# KiCad board [DFR1142]Lite Carrier for LattePanda Mu.kicad_pcb (continued)
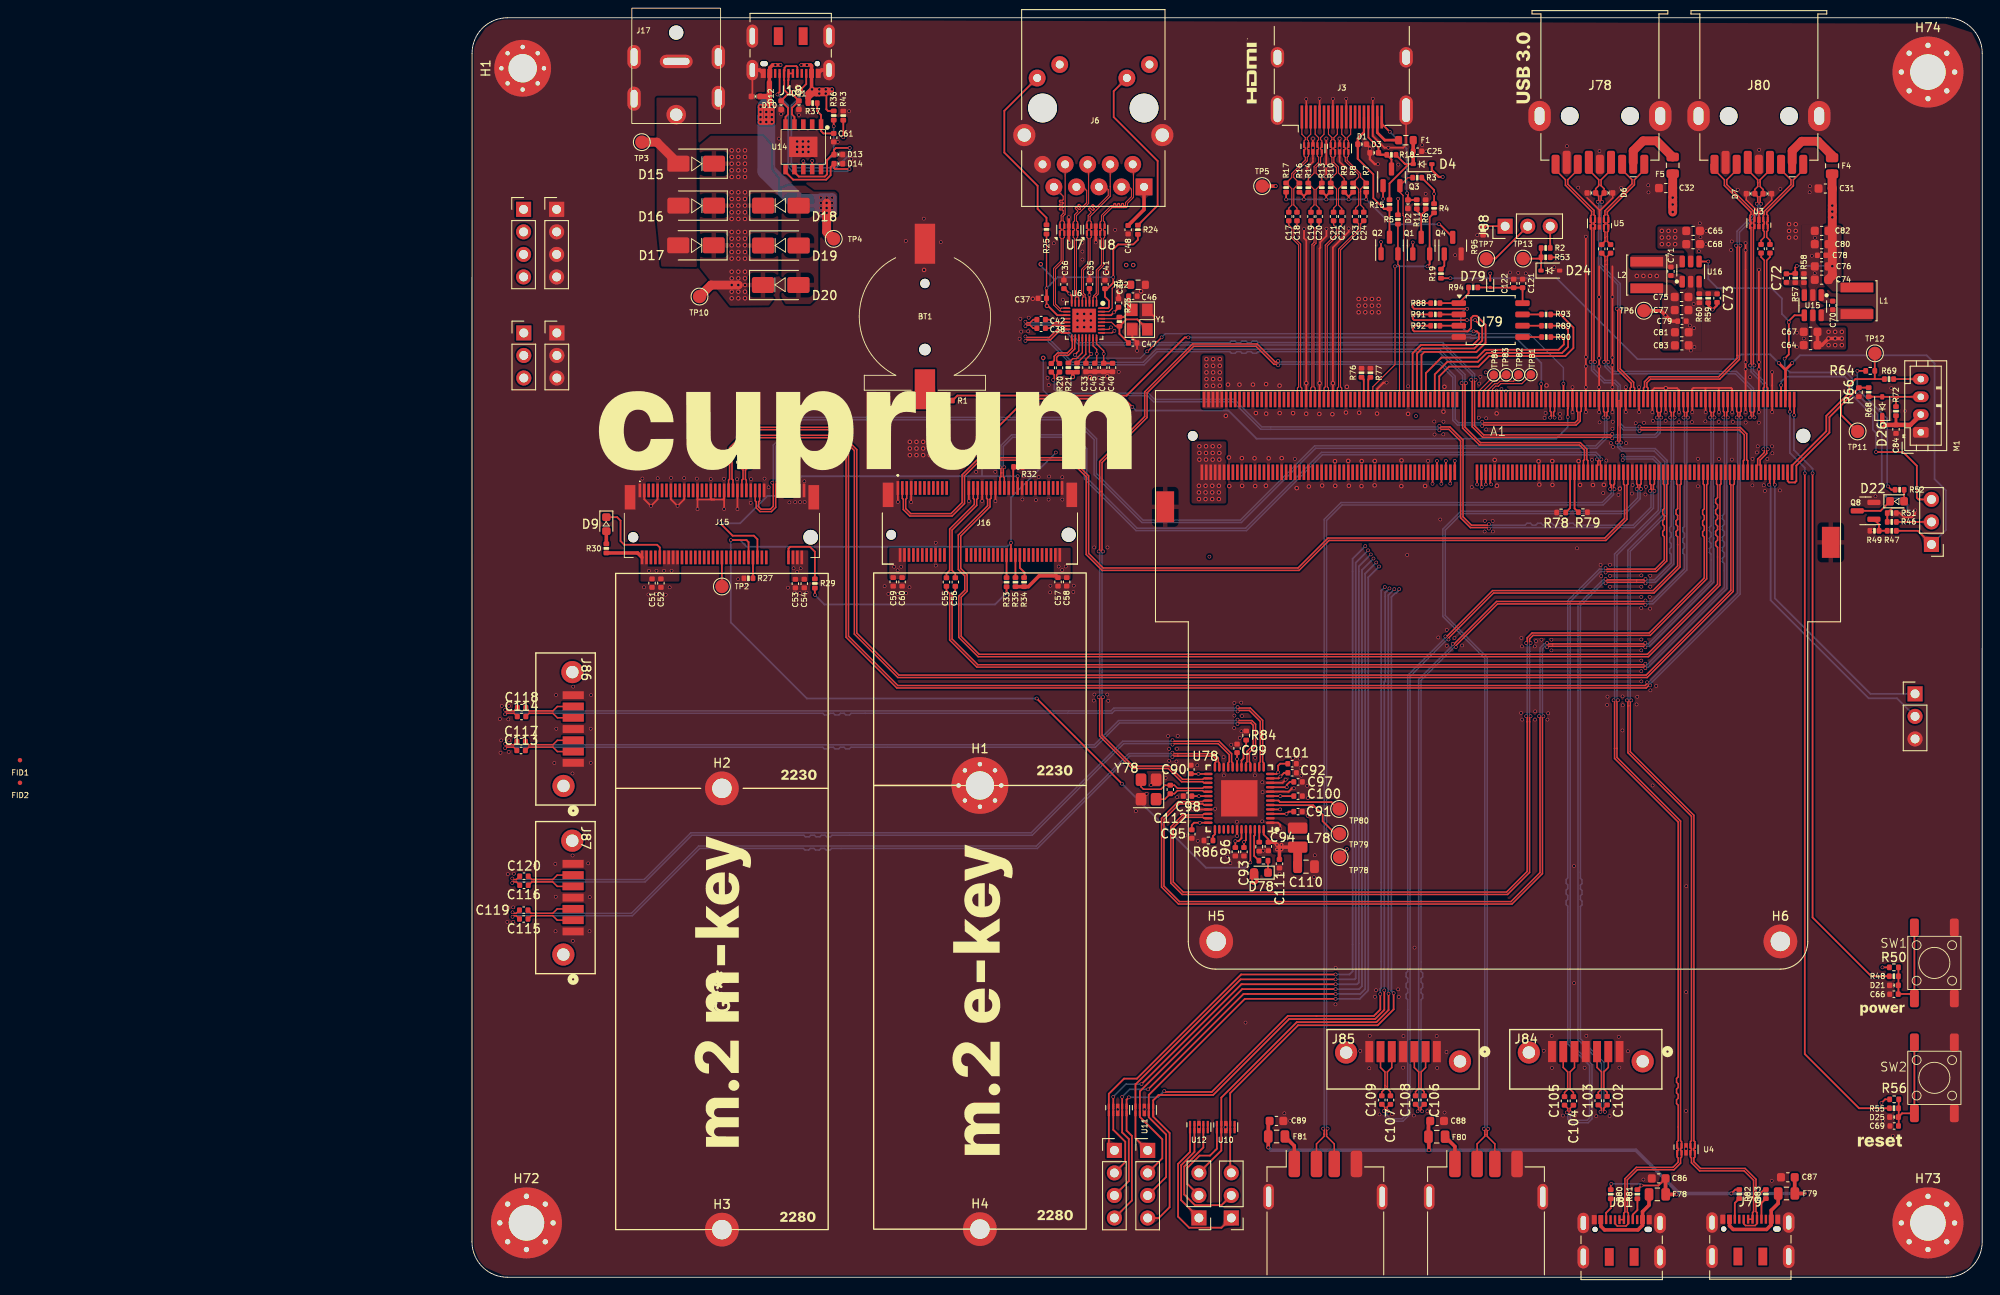
[diagram p0: board, top side]
## Routing (per net, layer and track width the routed paths; a pad name or vN(x,y) marks a point on that pad's centre or on a via; arc(x,y) is an arc through that point) (continued)
  Bottom w0.17: v1(62.36,105.52) 62.48,105.64 64.76,105.64 67.56,102.84 75.75,102.84 77.22,104.31 85.4,104.31 85.58,104.13 86,104.13 86.18,104.31 86.6,104.31 86.78,104.13 87.2,104.13 87.38,104.31 87.8,104.31 87.98,104.13 88.4,104.13 88.58,104.31 108.93,104.31 111.63,101.62 111.63,100.89 v1(111.51,100.78)
/Gigabit Ethernet/GbE_PCIe_RX+: length 86.5
  Top w0.17: C43.2 65.61,101.69 65.61,101.24 v1(65.49,101.12) ; A1.64 133.25,89.41 133.13,89.3 133.13,88.74 v1(133.25,88.62) ; v1(114.59,84.37) 114.47,84.49 112.51,84.49 111.4,85.59 111.4,94.24 110.08,95.56 109.13,95.56 v1(109.01,95.45)
  Bottom w0.17: v1(114.59,84.37) 114.7,84.49 130.95,84.49 133.13,86.67 133.13,88.51 v1(133.25,88.62) ; v1(65.49,101.12) 65.61,101.01 65.61,100.09 66.33,99.36 76.11,99.36 76.81,98.66 85.78,98.66 88.88,95.56 90.01,95.56 108.9,95.56 v1(109.01,95.45)
/Gigabit Ethernet/GbE_PCIe_RX-: length 86.5
  Top w0.17: v1(65.99,101.12) 65.88,101.24 65.88,101.69 C39.2 ; v1(109.01,95.95) 109.13,95.84 110.2,95.84 111.68,94.36 111.68,85.71 112.62,84.76 114.47,84.76 v1(114.59,84.88) ; A1.66 132.75,89.41 132.86,89.3 132.86,88.74 v1(132.74,88.62)
  Bottom w0.17: v1(109.01,95.95) 108.9,95.84 90.01,95.84 89,95.84 85.9,98.94 76.92,98.94 76.22,99.64 66.45,99.64 65.88,100.2 65.88,101.01 v1(65.99,101.12) ; v1(132.74,88.62) 132.86,88.51 132.86,86.79 130.83,84.76 124.29,84.76 124.08,84.98 123.69,84.98 123.48,84.76 123.09,84.76 122.88,84.98 122.49,84.98 122.28,84.76 121.89,84.76 121.68,84.98 121.29,84.98 121.08,84.76 120.69,84.76 120.48,84.98 120.09,84.98 119.88,84.76 119.49,84.76 119.28,84.98 118.89,84.98 118.68,84.76 114.7,84.76 v1(114.59,84.88)
/Gigabit Ethernet/GbE_PCIe_TX+: length 86.1
  Top w0.17: 133.52,98.89 133.52,97.58 133.63,97.46 133.63,97 v1(133.52,96.89) ; v1(113.09,101.15) 112.98,101.04 112.98,95.96 114,94.94 128.38,94.94 v1(128.5,95.05) ; v1(62.36,107.69) 62.48,107.57 62.89,107.57 63.24,107.93 C42.2
  Bottom w0.17: v1(128.5,95.05) 128.61,94.94 133.28,94.94 133.63,95.29 133.63,96.77 v1(133.52,96.89) 133.63,97 ; v1(62.36,107.69) 62.48,107.57 66.26,107.57 68.5,105.34 85.4,105.34 85.58,105.52 86,105.52 86.18,105.34 86.6,105.34 86.78,105.52 87.2,105.52 87.38,105.34 87.8,105.34 87.98,105.52 88.4,105.52 88.58,105.34 109.42,105.34 112.98,101.78 112.98,101.26 v1(113.09,101.15)
/Gigabit Ethernet/GbE_PCIe_TX-: length 86.1
  Top w0.17: v1(134.02,96.89) 133.91,97 133.91,97.46 134.02,97.58 134.02,98.89 ; v1(112.59,101.15) 112.7,101.04 112.7,95.85 113.89,94.66 128.38,94.66 v1(128.5,94.55) ; C38.2 63.24,106.95 62.89,107.3 62.48,107.3 v1(62.36,107.19)
  Bottom w0.17: 133.91,97 v1(134.02,96.89) 133.91,96.77 133.91,95.17 133.4,94.66 128.61,94.66 v1(128.5,94.55) ; v1(112.59,101.15) 112.7,101.26 112.7,101.67 109.31,105.06 68.38,105.06 66.15,107.3 62.48,107.3 v1(62.36,107.19)
/Gigabit Ethernet/HSI+: length 2.6
  Top w0.17: C42.1 65.08,107.93 65.43,107.57 66.38,107.57 66.43,107.62 U6.13
/Gigabit Ethernet/HSI-: length 2.6
  Top w0.17: C38.1 65.08,106.95 65.43,107.3 66.36,107.3 66.43,107.23 U6.14
/Gigabit Ethernet/HSO+: length 4.5
  Top w0.17: U6.17 67.58,105.58 67.64,105.51 67.64,104.72 67.09,104.17 65.99,104.17 65.61,103.79 65.61,103.31 C43.1
/Gigabit Ethernet/HSO-: length 4.5
  Top w0.17: U6.18 67.98,105.58 67.92,105.51 67.92,104.61 67.21,103.9 66.11,103.9 65.88,103.67 65.88,103.3 66.2,102.98 C39.1
/Gigabit Ethernet/LED1_1000: length 35.7
  Top w0.125: v1(72.01,107.05) 71.96,107 71.93,107 71.76,106.83 U6.26
  In1.GND w0.2: v1(72.01,107.05) 74.51,109.56 v2(74.51,114.08)
  In2.PWR w0.2: v2(74.51,114.08) 74.39,114.2 74.39,118.43 79.94,123.98 79.94,133.07 76.34,136.68
/Gigabit Ethernet/LED2_ACT: length 44
  Top w0.125: v1(72.39,106.66) 72.35,106.66 72.11,106.43 U6.25
  In1.GND w0.2: v1(72.39,106.66) 72.33,106.6 71.82,106.6 71.55,106.86 71.55,107.24 73.17,108.86 73.31,108.86 74.16,109.7 74.16,113.64 v2(73.72,114.08)
  In2.PWR w0.2: v2(73.72,114.08) 73.86,114.22 73.86,115.73 70.79,118.8 64.26,118.8 62.34,120.73 62.34,125.53 66.23,129.42 J6.L2
/Gigabit Ethernet/MDI0+: length 18.7
  Top w0.116: U6.1 70.38,110.39 70.29,110.48 70.29,110.53 70.56,110.8 70.56,113.42 71.15,114 71.15,117.07 71.29,117.21 U8.5 71.29,117.86 71.15,118 71.15,118.12 71.29,118.26 U8.6 71.29,118.92 71.15,119.06 71.15,119.58 72.12,120.55 72.35,120.55 72.36,120.55 72.52,120.55 72.52,120.55 72.79,120.55 72.79,120.55 72.96,120.55 72.96,120.55 73.22,120.55 73.23,120.55 73.39,120.55 73.39,120.55 73.73,120.55 73.86,120.68 73.86,121.02 74.54,121.7 74.54,125.34 J6.R2
/Gigabit Ethernet/MDI0-: length 18.1
  Top w0.116: J6.R3 74.05,122.89 74.31,122.62 74.31,121.78 73.64,121.11 73.64,120.77 73.48,120.77 73.42,120.83 73.42,120.95 73.35,121.02 73.26,121.02 73.2,120.95 73.2,120.83 73.13,120.77 73.05,120.77 72.98,120.83 72.98,120.95 72.92,121.02 72.83,121.02 72.76,120.95 72.76,120.83 72.7,120.77 72.61,120.77 72.55,120.83 72.55,120.95 72.48,121.02 72.39,121.02 72.33,120.95 72.33,120.83 72.26,120.77 72.03,120.77 70.93,119.67 70.93,119.06 70.79,118.92 U8.7 70.79,118.26 70.93,118.12 70.93,118 70.79,117.86 U8.4 70.79,117.21 70.93,117.07 70.93,114.09 70.35,113.51 70.35,110.9 70.07,110.62 70.07,110.48 69.98,110.39 U6.2
/Gigabit Ethernet/MDI1+: length 17.2
  Top w0.116: J6.R4 71.92,122.9 71.92,122.9 71.92,121.83 69.65,119.56 69.65,119.06 69.79,118.92 U8.9 69.79,118.26 69.65,118.12 69.65,118 69.79,117.86 U8.2 69.79,117.21 69.65,117.07 69.65,114.23 68.91,113.5 68.91,110.9 69.09,110.73 69.09,110.47 69.18,110.38 U6.4
/Gigabit Ethernet/MDI1-: length 17.3
  Top w0.116: U6.5 68.78,110.38 68.87,110.47 68.87,110.63 68.7,110.81 68.7,113.59 69.43,114.32 69.43,117.07 69.29,117.21 U8.1 69.29,117.86 69.43,118 69.43,118.12 69.29,118.26 U8.10 69.29,118.92 69.43,119.06 69.43,119.65 69.75,119.96 69.75,120.07 69.48,120.33 69.48,120.44 69.55,120.51 69.66,120.51 69.92,120.24 70.03,120.24 70.1,120.31 70.1,120.42 69.84,120.68 69.84,120.79 69.91,120.86 70.01,120.86 70.28,120.6 70.38,120.6 71.7,121.92 71.7,122.56 71.38,122.89 J6.R5
/Gigabit Ethernet/MDI2+: length 16.6
  Top w0.116: U6.6 68.38,110.38 68.29,110.47 68.29,110.7 68.11,110.87 68.11,116.98 68.11,116.99 68.11,117.07 68.25,117.21 U7.5 68.25,117.86 68.11,118 68.11,118.12 68.25,118.26 U7.6 68.25,118.92 68.11,119.06 68.11,119.64 69.48,121.01 69.48,125.32 J6.R6
/Gigabit Ethernet/MDI2-: length 16.6
  Top w0.116: U6.7 67.98,110.38 68.07,110.47 68.07,110.6 67.9,110.78 67.9,116.9 67.89,116.9 67.89,117.07 67.75,117.21 U7.4 67.75,117.86 67.89,118 67.89,118.12 67.75,118.26 U7.7 67.75,118.92 67.89,119.06 67.89,119.73 68.25,120.09 68.25,120.18 67.99,120.44 67.99,120.54 68.05,120.6 68.14,120.6 68.4,120.34 68.5,120.34 68.56,120.4 68.56,120.49 68.3,120.75 68.3,120.84 68.36,120.9 68.45,120.9 68.71,120.64 68.8,120.64 69.26,121.11 69.26,122.48 68.85,122.89 J6.R7
/Gigabit Ethernet/MDI3+: length 18
  Top w0.116: U6.9 66.42,109.23 66.32,109.13 66.31,109.13 65.75,109.69 65.75,113.6 66.61,114.46 66.61,117.07 66.75,117.21 U7.2 66.75,117.86 66.61,118 66.61,118.12 66.75,118.26 U7.9 66.75,118.92 66.61,119.06 66.61,119.58 66.84,119.8 J6.R8
/Gigabit Ethernet/MDI3-: length 18.3
  Top w0.116: J6.R9 66.62,121.83 66.62,121.44 66.56,121.38 66.26,121.38 66.19,121.31 66.19,121.23 66.26,121.16 66.56,121.16 66.62,121.1 66.62,121.01 66.56,120.94 66.26,120.94 66.19,120.88 66.19,120.79 66.26,120.73 66.56,120.73 66.62,120.66 66.62,120.57 66.56,120.51 66.26,120.51 66.19,120.44 66.19,120.36 66.26,120.29 66.56,120.29 66.62,120.23 66.62,119.89 66.39,119.67 66.39,119.06 66.25,118.92 U7.10 66.25,118.26 66.39,118.12 66.39,118 66.25,117.86 U7.1 66.25,117.21 66.39,117.07 66.39,114.55 65.53,113.69 65.53,109.6 66.22,108.92 66.32,108.92 66.42,108.83 U6.10
/GPIO/I2C2_SCL: length 101.5
  Top w0.2: A1.154 108.75,91.99 v1(108.74,92) ; J9.1 74.76,15.67 U11.1 U11.10 74.76,21.72 86.61,33.58 v1(97.31,33.58)
  In2.PWR w0.2: v1(100.98,81.92) 101.48,81.92 108.74,89.18 v1(108.74,92)
  Bottom w0.2: v1(97.31,33.58) 99.46,33.58 99.59,33.7 99.59,80.53 v1(100.98,81.92)
/GPIO/I2C2_SDA: length 100.3
  Top w0.2: v1(108.24,89.43) 108.25,89.43 A1.156 ; v1(97.31,34.13) 86.67,34.13 74.93,22.39 73.48,22.39 71.76,20.68 U9.10 U9.1 71.76,14.92 J7.1
  In2.PWR w0.2: v1(108.24,89.43) 108.24,89.17 101.47,82.4 v1(100.66,82.4)
  Bottom w0.2: v1(97.31,34.13) 98.89,34.13 99.24,34.47 99.24,80.97 v1(100.66,82.4)
/GPIO/I2C3_SCL: length 105.4
  Top w0.2: A1.150 109.75,91.99 v1(109.74,92) ; J9.2 77.79,13.41 77.79,15.55 75.26,18.08 U11.2 U11.9 75.26,20.95 86.79,32.48 v1(97.31,32.48)
  In2.PWR w0.2: v1(109.74,92) 109.74,88.9 101.84,81 v1(101.58,81)
  Bottom w0.2: v1(101.58,81) 100.29,79.71 100.29,32.8 99.96,32.48 v1(97.31,32.48)
/GPIO/I2C3_SDA: length 104.3
  Top w0.2: J7.2 73.61,12.98 73.61,15.27 72.26,16.62 U9.2 U9.9 v1(72.26,20.33) ; A1.152 109.25,89.43 v1(109.24,89.43) ; v1(97.31,33.03) 86.7,33.03 v1(75.45,21.77)
  In2.PWR w0.2: v1(109.24,89.43) 109.24,88.9 101.81,81.46 v1(101.28,81.46)
  Bottom w0.2: v1(101.28,81.46) 99.94,80.12 99.94,33.22 99.74,33.03 v1(97.31,33.03) ; v1(72.26,20.33) 73.71,21.77 v1(75.45,21.77)
/GPIO/I2C4_SCL: length 107.6
  Top w0.2: v1(110.74,92) 110.75,91.99 A1.146 ; v1(97.31,31.38) 87.09,31.38 76.26,20.55 U11.7 U11.4 76.26,18.04 78.21,16.09 78.21,11.29 J9.3
  In2.PWR w0.2: v1(102.21,80.1) 110.74,88.62 v1(110.74,92)
  Bottom w0.2: v1(97.31,31.38) 100.04,31.38 100.99,32.33 100.99,78.88 v1(102.21,80.1)
/GPIO/I2C4_SDA: length 106.9
  Top w0.2: v1(76.19,21.18) 86.94,31.93 v1(97.31,31.93) ; A1.148 110.25,89.46 v1(110.24,89.45) ; J7.3 74.01,10.84 74.01,15.58 73.26,16.33 U9.4 U9.7 v1(73.26,20.33)
  In2.PWR w0.2: v1(101.9,80.55) 102.17,80.55 110.24,88.62 v1(110.24,89.45)
  Bottom w0.2: v1(97.31,31.93) 100.09,31.93 100.64,32.47 100.64,79.29 v1(101.9,80.55) ; v1(76.19,21.18) 74.11,21.18 v1(73.26,20.33)
/GPIO/I2C5_SCL: length 111.2
  Top w0.2: v1(113.78,89.05) 113.75,89.08 A1.142 ; v1(102.8,32.32) 102.8,30.13 101.77,29.1 92.08,29.1 83.51,20.53 77.36,20.53 76.76,19.94 U11.6 U11.5 76.76,18.1 78.61,16.25 78.61,7.9 77.39,6.68 J9.4
  In2.PWR w0.2: v1(103.39,77.63) 103.39,77.99 111.97,86.58 111.97,86.58 113.78,88.38 v1(113.78,89.05)
  Bottom w0.2: v1(103.39,77.63) 102.9,77.15 102.9,67.19 102.8,67.09 v1(102.8,32.32)
/GPIO/I2C5_SDA: length 112.4
  Top w0.2: v1(74.02,20.28) 73.76,20.02 U9.6 U9.5 73.76,16.53 74.36,15.93 74.36,8.65 J7.4 ; v1(102.35,31.91) 102.35,30.18 101.63,29.45 91.94,29.45 83.37,20.89 78.11,20.89 v1(78.01,20.99) ; v1(113.26,89.34) 113.26,90.7 A1.144
  In2.PWR w0.2: v1(113.26,89.34) 113.26,88.36 113.03,88.13 113.03,88.13 102.86,77.96 v1(102.86,77.79)
  Bottom w0.2: v1(102.86,77.79) 102.45,77.38 102.45,32.61 102.35,32.51 102.35,32.14 v1(102.35,31.91) ; v1(74.02,20.28) 77.3,20.28 v1(78.01,20.99)
/GPIO/SOC_UART0_RX: length 10.7
  Top w0.2: U10.10 U10.1 83.94,14.49 83.16,13.71 81.99,13.71 80.61,12.34 80.61,10.53 J8.2
/GPIO/SOC_UART0_TX: length 15.1
  Top w0.2: J10.2 84.46,8.12 81.46,8.12 80.26,9.32 80.26,12.48 82.41,14.63 U12.4 U12.7
/GPIO/SOC_UART1_RX: length 12.1
  Top w0.2: J8.1 79.91,8.69 79.91,12.63 81.41,14.13 U12.2 U12.9
/GPIO/SOC_UART1_TX: length 18
  Top w0.2: J10.1 84.46,5.58 80.81,5.58 79.56,6.84 79.56,12.77 80.91,14.12 U12.1 U12.10
/GPIO/SOC_UART2_RX: length 97.6
  Top w0.2: v1(114.24,89.35) 114.24,90.72 A1.140 ; J8.3 84.44,14.29 U10.2 U10.9 84.44,20.25 92.94,28.75 101.92,28.75 103.28,30.12 v1(103.28,31.96)
  In2.PWR w0.2: v1(103.94,77.55) 103.94,78.05 107.88,81.99 107.88,81.99 114.24,88.35 v1(114.24,89.35)
  Bottom w0.2: v1(103.28,31.96) 103.25,31.99 103.25,76.87 v1(103.94,77.55)
/GPIO/SOC_UART2_TX: length 96.9
  Top w0.2: v1(114.86,89.35) 114.75,89.47 A1.138 ; J10.3 85.44,11.89 U10.4 U10.7 85.44,20.75 93.09,28.4 102.06,28.4 103.86,30.19 v1(103.86,32.02)
  In2.PWR w0.2: 104.6,78.21 104.52,78.13 ; 104.6,78.21 105.66,79.28 105.66,79.28 114.86,88.48 v1(114.86,89.35) ; 104.6,78.21 104.49,78.1 v1(104.49,77.55)
  Bottom w0.2: v1(103.86,32.02) 103.74,32.14 103.61,32.27 103.61,76.67 104.04,77.1 104.13,77.1 104.39,77.36 104.39,77.45 v1(104.49,77.55)
/HDMI/DDC_SCL: length 15.7
  Top w0.2: 102.77,120.42 101.56,121.62 101.56,124.3 99.82,126.05 ; R15.2 Q2.3
  Top w0.25: 102.77,120.42 R15.2 ; J3.15 100.51,129.05 99.82,128.36 D1.2 99.82,126.05
/HDMI/DDC_SDA: length 7.4
  Top w0.2: Q3.3 103.61,125.98 R18.2 ; J3.16 101.01,128.45 102.15,127.32 D3.2
  Top w0.25: R18.2 102.37,126.5 D3.2
/HDMI/DDI_B_DDC_SCL: length 19.9
  Top w0.12: 104.51,98.9 104.51,113.98 104.34,114.15 Q2.2
  Top w0.17: R5.2 Q2.2
/HDMI/DDI_B_DDC_SDA: length 26.1
  Top w0.12: R3.2 105.46,123.93 Q3.2 104.56,122.28 104.92,121.92 104.92,119.65 105.01,119.56 105.01,98.9
/HDMI/DDI_B_HPD: length 26.1
  Top w0.12: 101.51,98.9 101.51,100.35 104.01,102.85 v1(104.01,113.93)
  Top w0.2: R4.2 107.91,119.47 Q1.2 107.91,114.18 v1(107.66,113.93)
  Bottom w0.2: v1(104.01,113.93) v1(107.66,113.93)
/HDMI/DDI_B_TX0+: length 20.7
  Top w0.12: 93.01,98.9 93.01,100.21 93.15,100.35 93.15,116.35 92.39,117.11 92.39,118.25 92.04,118.6 C17.1
/HDMI/DDI_B_TX0-: length 20.7
  Top w0.12: C18.1 92.96,118.6 92.61,118.25 92.61,117.2 93.38,116.44 93.38,100.35 93.51,100.21 93.51,98.9
/HDMI/DDI_B_TX1+: length 20.5
  Top w0.12: 94.51,98.9 94.51,100.21 94.65,100.35 94.65,116.4 94.89,116.63 94.89,118.25 94.54,118.6 C19.1
/HDMI/DDI_B_TX1-: length 20.5
  Top w0.12: C20.1 95.46,118.6 95.11,118.25 95.11,116.54 94.88,116.3 94.88,100.35 95.01,100.21 95.01,98.9
/HDMI/DDI_B_TX2+: length 20.9
  Top w0.12: C21.1 97.09,118.6 97.44,118.25 97.44,117.61 96.15,116.32 96.15,100.35 96.01,100.21 96.01,98.9
/HDMI/DDI_B_TX2-: length 20.9
  Top w0.12: C22.1 98.01,118.6 97.66,118.25 97.66,117.52 96.38,116.23 96.38,100.35 96.51,100.21 96.51,98.9
/HDMI/DDI_B_TX3+: length 21.3
  Top w0.12: 97.51,98.9 97.51,100.21 97.65,100.35 97.65,115.86 99.92,118.13 99.92,118.72 C23.1
/HDMI/DDI_B_TX3-: length 21.3
  Top w0.12: 98.01,98.9 98.01,100.21 97.88,100.35 97.88,115.77 100.14,118.04 100.14,118.72 C24.1
/HDMI/HPD: length 11.7
  Top w0.2: v1(103.41,129.1) 102.51,130 J3.19 ; D2.2 105.46,122.08 v1(105.38,122.16) ; D2.2 106.44,121.41 R11.2 ; D2.2 105.49,121.44 ; 106.39,121.41 106.41,121.44
  Bottom w0.2: v1(103.41,129.1) 105.31,127.2 105.31,122.23 v1(105.38,122.16)
/HDMI/TMDS_CK+: length 12.6
  Top w0.12: U2.4 98.26,127.01 98.4,127.15 98.4,127.27 98.26,127.41 U2.7 98.26,128.07 98.4,128.21 98.4,128.43 98.01,128.82 J3.10 ; U2.4 98.26,126.64 ; U2.4 98.26,126.36 98.4,126.22 98.4,125.78 99.92,124.27 99.92,123.99 99.29,123.36 R8.1 99.29,123.26 99.92,122.63 99.92,122.29 99.92,122.29 99.92,120.84 99.57,120.5 C23.2
/HDMI/TMDS_CK-: length 12.6
  Top w0.12: 98.76,126.64 U2.5 ; U2.5 98.76,126.36 98.63,126.22 98.63,125.87 100.14,124.36 100.14,123.99 100.76,123.36 R7.1 100.76,123.26 100.14,122.63 100.14,122.38 100.14,122.37 100.14,120.84 100.49,120.5 C24.2 ; U2.5 98.76,127.01 98.63,127.15 98.63,127.27 98.76,127.41 U2.6 98.76,128.07 98.63,128.21 98.63,128.43 99.01,128.82 J3.12
/HDMI/TMDS_D0+: length 12
  Top w0.12: C21.2 97.09,120.5 97.42,120.82 97.42,122.66 R10.1 96.76,123.8 97.41,124.45 97.41,125.04 96.9,125.55 96.9,126.22 96.76,126.36 U2.1 96.76,127.01 96.9,127.15 96.9,127.27 96.76,127.41 U2.10 96.76,128.07 96.9,128.21 96.9,128.43 96.51,128.82 J3.7
/HDMI/TMDS_D0-: length 12
  Top w0.12: J3.9 97.51,128.82 97.13,128.43 97.13,128.21 97.26,128.07 U2.9 97.26,127.41 97.13,127.27 97.13,127.15 97.26,127.01 U2.2 97.26,126.36 97.13,126.22 97.13,125.64 97.64,125.13 97.64,124.45 98.29,123.8 R9.1 97.64,122.66 97.64,120.82 98.01,120.45 C22.2
/HDMI/TMDS_D1+: length 12.3
  Top w0.12: C19.2 94.54,120.49 94.89,120.84 94.89,122.61 94.24,123.26 R14.1 ; 94.24,123.36 R14.1 ; R14.1 94.24,123.79 94.89,124.44 94.89,125.16 95.4,125.67 95.4,126.22 95.26,126.36 U1.4 ; U1.4 95.26,126.64 ; U1.4 95.26,127.01 95.4,127.15 95.4,127.27 95.26,127.41 U1.7 95.26,128.07 95.4,128.21 95.4,128.43 95.01,128.82 J3.4
/HDMI/TMDS_D1-: length 12.3
  Top w0.12: C20.2 95.46,120.49 95.11,120.84 95.11,122.61 95.76,123.26 R13.1 ; R13.1 95.76,123.36 ; R13.1 95.76,123.79 95.11,124.44 95.11,125.07 95.63,125.58 95.63,126.22 95.76,126.36 U1.5 ; U1.5 95.76,126.64 ; U1.5 95.76,127.01 95.63,127.15 95.63,127.27 95.76,127.41 U1.6 95.76,128.07 95.63,128.21 95.63,128.43 96.01,128.82 J3.6
/HDMI/TMDS_D2+: length 12.4
  Top w0.12: J3.1 93.51,128.82 93.9,128.43 93.9,128.21 93.76,128.07 U1.10 93.76,127.41 93.9,127.27 93.9,127.15 93.76,127.01 U1.1 93.76,126.36 93.9,126.22 93.9,125.92 92.37,124.39 92.37,123.95 R17.1 92.38,122.68 92.38,120.83 92.04,120.49 C17.2
/HDMI/TMDS_D2-: length 12.4
  Top w0.12: C18.2 92.96,120.49 92.61,120.85 92.61,122.68 R16.1 92.6,123.95 92.6,124.3 94.13,125.83 94.13,126.22 94.26,126.36 U1.2 94.26,127.01 94.13,127.15 94.13,127.27 94.26,127.41 U1.9 94.26,128.07 94.13,128.21 94.13,128.43 94.51,128.82 J3.3
/LattePanda Module/HSIO_0_TX+: length 16.7
  Top w0.17: C27.1 146.26,114.97 145.9,114.6 145.9,100.33 146.01,100.21 146.01,98.9
/LattePanda Module/HSIO_0_TX-: length 16.7
  Top w0.17: C26.1 145.26,114.97 145.63,114.6 145.63,100.33 145.51,100.21 145.51,98.9
/LattePanda Module/HSIO_1_TX+: length 35.9
  Top w0.17: C29.1 127.94,115.05 127.94,103.26 v1(128.05,103.15) ; 144.51,98.9 144.51,97.59 144.4,97.47 144.4,97.02 v1(144.52,96.9)
  Bottom w0.17: v1(128.05,103.15) 127.94,103.04 127.94,102.74 128.6,102.09 142.5,102.09 144.4,100.18 144.4,97.02 v1(144.52,96.9)
/LattePanda Module/HSIO_1_TX-: length 35.9
  Top w0.17: v1(144.01,96.9) 144.13,97.02 144.13,97.47 144.01,97.59 144.01,98.9 ; v1(127.55,103.15) 127.66,103.26 127.66,115.05 C28.1
  Bottom w0.17: v1(144.01,96.9) 144.13,97.02 144.13,100.07 142.38,101.81 128.48,101.81 127.66,102.63 127.66,103.04 v1(127.55,103.15)
/LattePanda Module/HSIO_2_RX+: length 159.6
  Top w0.17: J15.43 29.41,89.84 29.3,89.95 29.3,93.39 31.43,95.52 40.74,95.52 43.09,93.17 43.09,72.49 47.99,67.59 132.42,67.59 142.13,77.3 142.13,89.3 142.25,89.41 A1.28
/LattePanda Module/HSIO_2_RX-: length 159.6
  Top w0.17: J15.41 28.91,89.84 29.03,89.95 29.03,93.5 31.32,95.79 40.85,95.79 43.36,93.28 43.36,72.6 48.1,67.86 132.31,67.86 141.86,77.41 141.86,89.3 141.75,89.41 A1.30
/LattePanda Module/HSIO_2_TX+: length 164.4
  Top w0.17: v1(132.77,66.7) 132.6,66.7 132.32,66.41 47.88,66.41 42.15,72.14 42.15,92.74 40.28,94.61 31.75,94.61 30.81,93.67 30.81,93.15 31.16,92.8 C49.1 ; 143.01,98.9 143.01,97.59 142.9,97.47 142.9,97.01 v1(143.01,96.9)
  Bottom w0.17: 142.9,97.01 v1(143.01,96.9) 142.9,96.79 142.9,76.99 132.77,66.86 v1(132.77,66.7)
/LattePanda Module/HSIO_2_TX-: length 164.4
  Top w0.17: 142.51,98.9 142.51,97.59 142.63,97.47 142.63,97.01 v1(142.51,96.9) ; v1(132.41,67.05) 132.41,66.89 132.21,66.69 47.99,66.69 42.43,72.25 42.43,92.85 40.39,94.89 31.64,94.89 30.54,93.79 30.54,93.15 30.19,92.8 C50.1
  Bottom w0.17: 142.63,97.01 v1(142.51,96.9) 142.63,96.79 142.63,77.11 132.57,67.05 v1(132.41,67.05)
/LattePanda Module/HSIO_3_RX+: length 121.6
  Top w0.17: A1.34 140.75,89.41 140.63,89.3 140.63,78 132.57,69.94 57.03,69.94 54.85,72.12 54.85,76.76 55.53,77.43 55.53,79.04 54.8,79.77 54.8,83.65 58.1,86.95 58.1,87.67 57.99,87.79 J16.41
/LattePanda Module/HSIO_3_RX-: length 121.6
  Top w0.17: A1.36 140.25,89.41 140.36,89.3 140.36,87.88 140.14,87.66 140.14,87.28 140.36,87.06 140.36,86.68 140.14,86.46 140.14,86.08 140.36,85.86 140.36,85.48 140.14,85.26 140.14,84.88 140.36,84.66 140.36,84.28 140.14,84.06 140.14,83.68 140.36,83.46 140.36,83.08 140.14,82.86 140.14,82.48 140.36,82.26 140.36,78.11 132.46,70.21 57.15,70.21 55.13,72.23 55.13,76.64 55.8,77.32 55.8,79.16 55.08,79.88 55.08,83.54 58.38,86.84 58.38,87.67 58.49,87.79 J16.43
/LattePanda Module/HSIO_3_TX+: length 120.4
  Top w0.17: v1(141.51,96.9) 141.4,97.01 141.4,97.47 141.51,97.59 141.51,98.9 ; C55.1 53.46,77.4 53.83,77.04 53.83,71.82 56.89,68.76 132.11,68.76 v1(132.23,68.64)
  Bottom w0.17: v1(132.23,68.64) 132.34,68.76 132.54,68.76 141.4,77.62 141.4,96.79 v1(141.51,96.9) 141.4,97.01
/LattePanda Module/HSIO_3_TX-: length 120.4
  Top w0.17: C56.1 54.46,77.4 54.1,77.04 54.1,71.93 57,69.03 132.11,69.03 v1(132.23,69.15) ; 141.01,98.9 141.01,97.59 141.13,97.47 141.13,97.01 v1(141.01,96.9)
  Bottom w0.17: v1(132.23,69.15) 132.34,69.03 132.43,69.03 141.13,77.73 141.13,80.43 140.91,80.65 140.91,81.03 141.13,81.25 141.13,81.63 140.91,81.85 140.91,82.23 141.13,82.45 141.13,82.83 140.91,83.05 140.91,83.43 141.13,83.65 141.13,84.03 140.91,84.25 140.91,84.63 141.13,84.85 141.13,85.23 140.91,85.45 140.91,85.83 141.13,86.05 141.13,96.79 v1(141.01,96.9) 141.13,97.01
/LattePanda Module/HSIO_8_RX+: length 114.5
  Top w0.17: A1.40 139.25,89.41 139.13,89.3 139.13,78.7 132.77,72.34 119.57,72.34 119.18,71.94 119.18,71.59 v1(119.29,71.48) ; U78.34 82.46,52.22 82.35,52.11 80.09,52.11 78.75,50.77 78.75,44.42 80.03,43.14 116.7,43.14 119.18,45.62 119.18,62.6 119.18,63.11 v1(119.29,63.23)
  Bottom w0.17: v1(119.29,71.48) 119.18,71.36 119.18,63.34 v1(119.29,63.23)
/LattePanda Module/HSIO_8_RX-: length 113.6
  Top w0.17: v1(118.79,71.48) 118.9,71.59 118.9,72.06 119.46,72.61 132.66,72.61 138.86,78.81 138.86,83.42 138.68,83.6 138.68,84.02 138.86,84.2 138.86,84.62 138.68,84.8 138.68,85.22 138.86,85.4 138.86,85.82 138.68,86 138.68,86.42 138.86,86.6 138.86,89.3 138.75,89.41 A1.42 ; v1(118.79,63.23) 118.9,63.11 118.9,62.6 118.9,45.73 116.58,43.41 80.15,43.41 79.03,44.53 79.03,50.66 80.2,51.84 82.35,51.84 82.46,51.72 U78.35
  Bottom w0.17: v1(118.79,63.23) 118.9,63.34 118.9,71.36 v1(118.79,71.48)
/LattePanda Module/HSIO_8_TX+: length 127.8
  Top w0.17: v1(132.22,70.99) 132.11,71.11 121.26,71.11 v1(121.14,70.99) ; 140.01,98.9 140.01,97.58 139.9,97.47 139.9,97.01 v1(140.01,96.9) ; v1(120.74,63.22) 120.63,63.11 120.63,45.49 117.2,42.06 79.61,42.06 77.7,43.97 77.7,51.72 79.59,53.61 82.35,53.61 82.46,53.72 U78.31
  Bottom w0.17: v1(132.22,70.99) 132.34,71.11 132.66,71.11 139.9,78.34 139.9,96.78 v1(140.01,96.9) 139.9,97.01 ; v1(121.14,70.99) 121.03,71.11 120.91,71.11 120.63,70.82 120.63,63.34 v1(120.74,63.22)
/LattePanda Module/HSIO_8_TX-: length 127.1
  Top w0.17: v1(132.22,71.49) 132.11,71.38 121.26,71.38 v1(121.14,71.49) ; v1(120.24,63.22) 120.35,63.11 120.35,45.61 117.08,42.34 79.72,42.34 77.98,44.08 77.98,51.61 79.71,53.34 82.35,53.34 82.46,53.22 U78.32 ; 139.51,98.9 139.51,97.58 139.63,97.47 139.63,97.01 v1(139.51,96.9)
  Bottom w0.17: v1(139.51,96.9) 139.63,96.78 139.63,84.69 139.45,84.51 139.45,84.09 139.63,83.91 139.63,83.49 139.45,83.31 139.45,82.89 139.63,82.71 139.63,82.29 139.45,82.11 139.45,81.69 139.63,81.51 139.63,78.45 132.55,71.38 132.34,71.38 v1(132.22,71.49) ; v1(139.51,96.9) 139.63,96.78 ; v1(139.51,96.9) 139.63,97.01 ; v1(121.14,71.49) 121.03,71.38 120.8,71.38 120.35,70.93 120.35,63.34 v1(120.24,63.22)
/LattePanda Module/HSIO_10_RX+: length 100.4
  Top w0.17: 102.5,19.52 102.85,19.17 102.85,18.84 ; v1(110.04,71.87) 110.04,72.04 115.12,77.11 133.2,77.11 136.13,80.05 136.13,89.3 136.25,89.41 A1.52
  Bottom w0.17: 102.85,18.61 102.85,18.14 103.41,17.59 104.92,17.59 105.71,18.38 105.71,67.71 109.88,71.87 v1(110.04,71.87)
  vias: v1(102.74,18.72)
/LattePanda Module/HSIO_10_RX-: length 100.5
  Top w0.17: 103.48,19.52 103.12,19.17 103.12,18.84 ; A1.54 135.75,89.41 135.86,89.3 135.86,86.63 135.68,86.45 135.68,86.03 135.86,85.85 135.86,85.43 135.68,85.25 135.68,84.83 135.86,84.65 135.86,84.23 135.68,84.05 135.68,83.63 135.86,83.45 135.86,80.16 133.08,77.39 115.01,77.39 109.85,72.23 v1(109.69,72.23)
  Bottom w0.17: v1(103.24,18.72) 103.12,18.61 103.12,18.26 103.52,17.86 104.81,17.86 105.44,18.49 105.44,31.29 105.26,31.47 105.26,31.89 105.44,32.07 105.44,32.49 105.26,32.67 105.26,33.09 105.44,33.27 105.44,33.69 105.26,33.87 105.26,34.29 105.44,34.47 105.44,67.82 109.69,72.06 v1(109.69,72.23)
/LattePanda Module/HSIO_10_TX+: length 104.8
  Top w0.17: v1(107.06,18.7) 106.95,18.81 106.95,19.14 C106.2 ; v1(110.87,71.02) 110.87,71.19 115.57,75.89 132.12,75.89 v1(132.23,75.77) ; 137.02,98.89 137.02,97.58 136.91,97.46 136.91,97.01 v1(137.02,96.89)
  Bottom w0.17: v1(107.06,18.7) 106.95,18.81 106.95,31.27 107.13,31.45 107.13,31.87 106.95,32.05 106.95,32.47 107.13,32.65 107.13,33.07 106.95,33.25 106.95,33.67 107.13,33.85 107.13,34.27 106.95,34.45 106.95,67.27 110.7,71.02 v1(110.87,71.02) ; v1(132.23,75.77) 132.35,75.89 133.07,75.89 136.91,79.72 136.91,96.78 v1(137.02,96.89) 136.91,97.01
/LattePanda Module/HSIO_10_TX-: length 104.8
  Top w0.17: v1(132.23,76.28) 132.12,76.16 115.46,76.16 110.67,71.38 v1(110.51,71.38) ; 136.52,98.89 136.52,97.58 136.63,97.46 136.63,97.01 v1(136.52,96.89) ; v1(106.56,18.7) 106.68,18.81 106.68,19.14 C108.2
  Bottom w0.17: v1(132.23,76.28) 132.35,76.16 132.96,76.16 136.63,79.84 136.63,81.44 136.45,81.62 136.45,82.04 136.63,82.22 136.63,82.64 136.45,82.82 136.45,83.24 136.63,83.42 136.63,83.84 136.45,84.02 136.45,84.44 136.63,84.62 136.63,96.78 v1(136.52,96.89) 136.63,97.01 ; v1(106.56,18.7) 106.68,18.81 106.68,67.38 110.51,71.21 v1(110.51,71.38)
/LattePanda Module/HSIO_11_RX+: length 87.3
  Top w0.17: v1(127.74,79.42) 127.85,79.54 133.45,79.54 134.63,80.72 134.63,89.3 134.75,89.41 A1.58 ; C105.1 123.48,19.03 123.48,18.69 v1(123.36,18.58)
  Bottom w0.17: v1(127.74,79.42) 127.62,79.54 127.15,79.54 123.75,76.14 123.75,26.43 126.21,23.97 126.21,17.85 125.77,17.41 123.91,17.41 123.48,17.84 123.48,18.46 v1(123.36,18.58) 123.48,18.69
